# KiCad board left.kicad_pcb (continued)
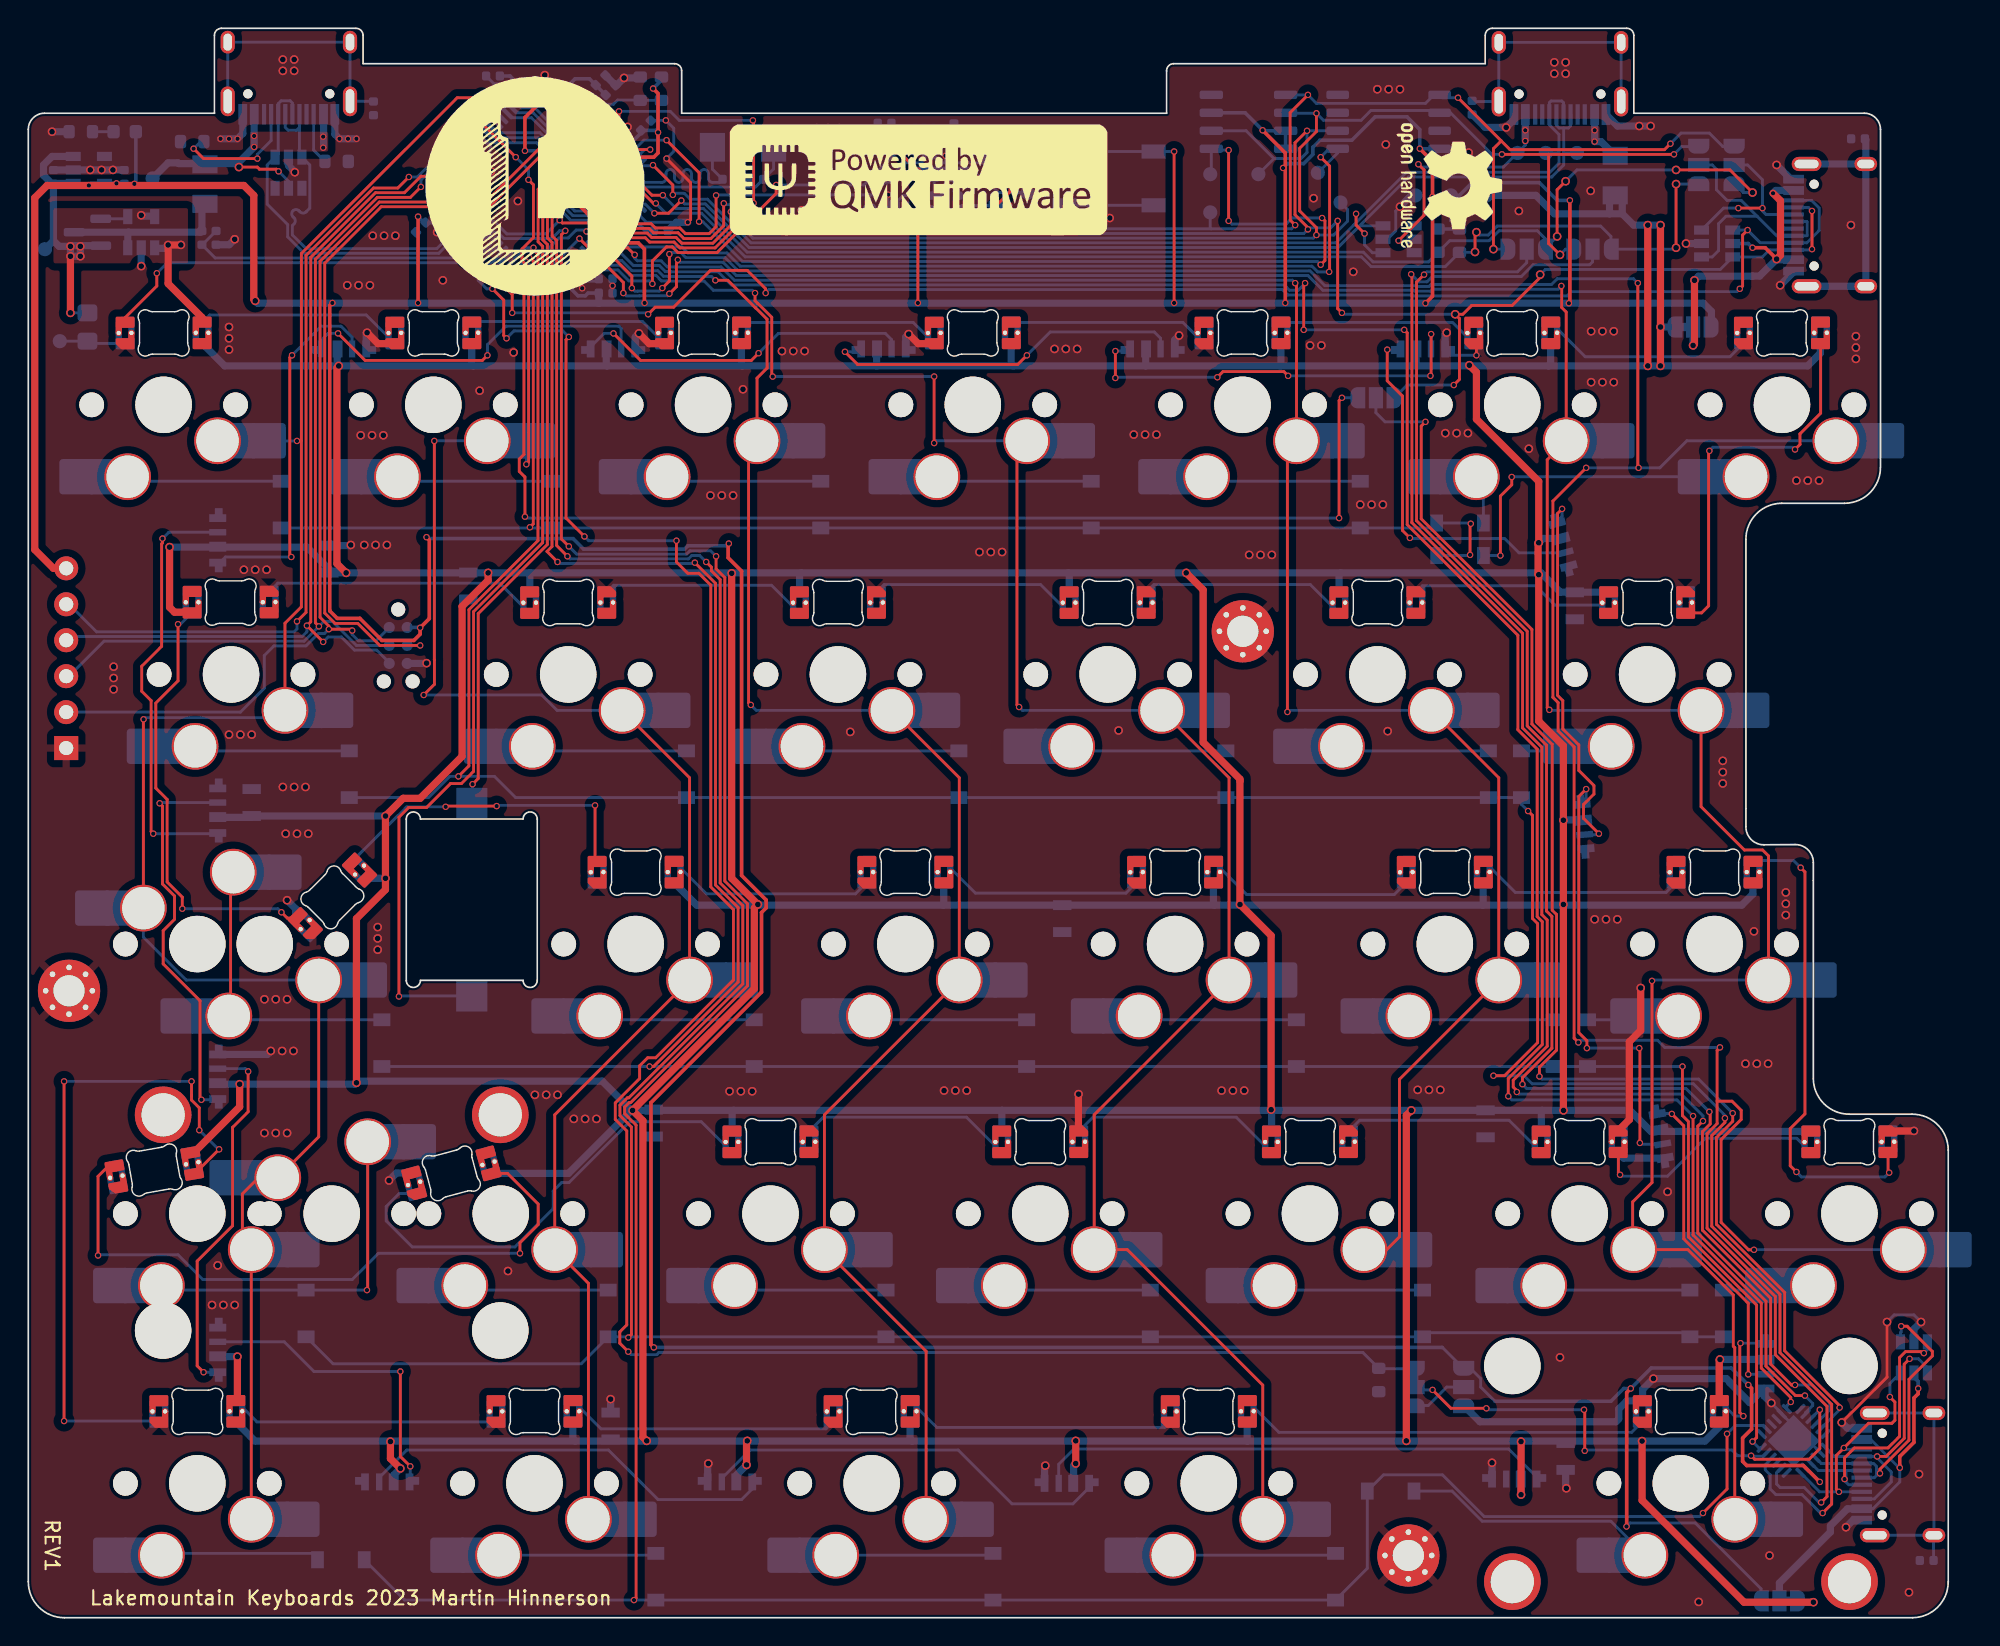
[diagram p0: board, top side]
## Footprints (pads in the part's own frame, mm; a bottom-side part is the same pattern mirrored in y, then rotated)
Buzzer_Mallory_AST1109MLTRQ
  rect 2.2x2.2 smd: 1(-6.8,0) 2(6.8,0)
C_0402_1005Metric
  rrect 0.59x0.64 smd: 1(-0.485,0) 2(0.485,0)
C_0805
  rect 0.7x1.3 smd: 1(-0.95,0) 2(0.95,0)
CON_TC2030_outlined
  round 0.991 hole 0.991 unplated: (-2.54,0) (2.54,-1.016) (2.54,1.016)
  round 0.787 smd: 1(-1.27,-0.635) 2(-1.27,0.635) 3(0,-0.635) 4(0,0.635) 5(1.27,-0.635) 6(1.27,0.635)
D_SOD-123
  rect 0.9x1.2 smd: 1(-1.65,0) 2(1.65,0)
D_SOD-523
  rect 0.6x0.7 smd: 1(-0.7,0) 2(0.7,0)
F1206
  rect 1.27x1.778 smd: 1(-1.397,0) 2(1.397,0)
LED_0402
  rrect 0.59x0.64 smd: +(0.485,0) -(-0.485,0)
LED_0603_1608Metric
  rrect 0.875x0.95 smd: 1(-0.787,0) 2(0.787,0)
LED_MX_6028R
  round 0.457 hole 0.305: 1(2.274,-0.01) 2(3.168,-0.01) 3(-3.168,0) 4(-2.274,0)
  custom 1.342x1.17 smd far side: 1(2.71,-0.74) 2(2.73,0.73) 3(-2.732,-0.73)
  custom 1.342x1.17 smd: 1(2.71,0.73) 2(2.73,-0.74) 3(-2.732,0.74)
  custom 1.338x1.25 smd: 4(-2.7,-0.75)
  custom 1.338x1.25 smd far side: 4(-2.7,0.76)
LED_MX_6028R_Flipped
  custom 1.342x1.17 smd: 1(-2.71,-0.73) 2(-2.73,0.74) 3(2.732,-0.74)
  custom 1.342x1.17 smd far side: 1(-2.71,0.74) 2(-2.73,-0.73) 3(2.732,0.73)
  round 0.457 hole 0.305: 1(-2.274,0.01) 2(-3.168,0.01) 3(3.168,0) 4(2.274,0)
  custom 1.338x1.25 smd far side: 4(2.7,-0.76)
  custom 1.338x1.25 smd: 4(2.7,0.75)
LED_MX_6028R_SOLO
  round 0.457 hole 0.305: 1(2.274,-0.01) 2(3.168,-0.01) 3(-3.168,0) 4(-2.274,0)
  custom 1.342x1.17 smd far side: 1(2.71,-0.74) 2(2.73,0.73) 3(-2.732,-0.73)
  custom 1.342x1.17 smd: 1(2.71,0.73) 2(2.73,-0.74) 3(-2.732,0.74)
  custom 1.338x1.25 smd: 4(-2.7,-0.75)
  custom 1.338x1.25 smd far side: 4(-2.7,0.76)
LQFP-64_10x10mm_P0.5mm
  rrect 1.55x0.3 smd: 1(-5.675,3.75) 2(-5.675,3.25) 3(-5.675,2.75) 4(-5.675,2.25) 5(-5.675,1.75) 6(-5.675,1.25) 7(-5.675,0.75) 8(-5.675,0.25) 9(-5.675,-0.25) 10(-5.675,-0.75) 11(-5.675,-1.25) 12(-5.675,-1.75) 13(-5.675,-2.25) 14(-5.675,-2.75) 15(-5.675,-3.25) 16(-5.675,-3.75) 33(5.675,-3.75) 34(5.675,-3.25) 35(5.675,-2.75) 36(5.675,-2.25) 37(5.675,-1.75) 38(5.675,-1.25) 39(5.675,-0.75) 40(5.675,-0.25) 41(5.675,0.25) 42(5.675,0.75) 43(5.675,1.25) 44(5.675,1.75) 45(5.675,2.25) 46(5.675,2.75) 47(5.675,3.25) 48(5.675,3.75)
  rrect 0.3x1.55 smd: 17(-3.75,-5.675) 18(-3.25,-5.675) 19(-2.75,-5.675) 20(-2.25,-5.675) 21(-1.75,-5.675) 22(-1.25,-5.675) 23(-0.75,-5.675) 24(-0.25,-5.675) 25(0.25,-5.675) 26(0.75,-5.675) 27(1.25,-5.675) 28(1.75,-5.675) 29(2.25,-5.675) 30(2.75,-5.675) 31(3.25,-5.675) 32(3.75,-5.675) 49(3.75,5.675) 50(3.25,5.675) 51(2.75,5.675) 52(2.25,5.675) 53(1.75,5.675) 54(1.25,5.675) 55(0.75,5.675) 56(0.25,5.675) 57(-0.25,5.675) 58(-0.75,5.675) 59(-1.25,5.675) 60(-1.75,5.675) 61(-2.25,5.675) 62(-2.75,5.675) 63(-3.25,5.675) 64(-3.75,5.675)
MountingHole_2.2mm_M2_Pad_Via
  round 0.7 hole 0.4: 1(-1.65,0) 1(-1.167,-1.167) 1(-1.167,1.167) 1(0,-1.65) 1(0,1.65) 1(1.167,-1.167) 1(1.167,1.167) 1(1.65,0)
  round 4.4 hole 2.2: 1(0,0)
PinHeader_1x06_P2.54mm_Vertical
  rect 1.7x1.7 hole 1: 1(0,0)
  oval 1.7x1.7 hole 1: 2(0,-2.54) 3(0,-5.08) 4(0,-7.62) 5(0,-10.16) 6(0,-12.7)
R_0402_1005Metric
  rrect 0.59x0.64 smd: 1(-0.485,0) 2(0.485,0)
R_0603_1608Metric
  rrect 0.8x0.95 smd: 1(-0.825,0) 2(0.825,0)
R_0805_2012Metric_Pad1.20x1.40mm_HandSolder
  rrect 1.2x1.4 smd: 1(-1,0) 2(1,0)
sk6812side
  custom 0.7x1.2 smd: 1(-0.45,0.3)
  custom 0.45x1.2 smd: 2(0.6,0.3)
  custom 0.95x1.2 smd: 3(-1.6,0.3)
  custom 0.975x1.2 smd: 4(1.6,0.3)
SOIC-8_5.23x5.23mm_P1.27mm
  rrect 1.6x0.6 smd: 1(-3.6,1.905) 2(-3.6,0.635) 3(-3.6,-0.635) 4(-3.6,-1.905) 5(3.6,-1.905) 6(3.6,-0.635) 7(3.6,0.635) 8(3.6,1.905)
SolderJumper-3_P1.3mm_Bridged12_RoundedPad1.0x1.5mm
  custom 1.05x1.5 smd: 1(-1.3,0) 3(1.3,0)
  rect 1x1.5 smd: 2(0,0)
SolderJumper-3_P1.3mm_Open_RoundedPad1.0x1.5mm_NumberLabels
  custom 1.05x1.5 smd: 1(-1.3,0) 3(1.3,0)
  rect 1x1.5 smd: 2(0,0)
SOP-8_3.9x4.9mm_P1.27mm
  rrect 1.65x0.6 smd: 1(-2.625,1.905) 2(-2.625,0.635) 3(-2.625,-0.635) 4(-2.625,-1.905) 5(2.625,-1.905) 6(2.625,-0.635) 7(2.625,0.635) 8(2.625,1.905)
SOT-23
  rrect 1.475x0.6 smd: 1(-0.938,0.95) 2(-0.938,-0.95) 3(0.938,0)
SOT-23-5
  rect 1.06x0.65 smd: 1(1.1,-0.95) 2(1.1,0) 3(1.1,0.95) 4(-1.1,0.95) 5(-1.1,-0.95)
SOT-23-6
  rect 1.06x0.65 smd: 1(-1.1,0.95) 2(-1.1,0) 3(-1.1,-0.95) 4(1.1,-0.95) 5(1.1,0) 6(1.1,0.95)
SOT-353_SC-70-5
  rect 0.65x0.4 smd: 1(0.95,-0.65) 2(0.95,0) 3(0.95,0.65) 4(-0.95,0.65) 5(-0.95,-0.65)
SOT-363_SC-70-6_SC-88
  rect 0.66x0.3 smd: 1(0.92,-0.65) 2(0.92,0) 3(0.92,0.65) 4(-0.92,0.65) 5(-0.92,0) 6(-0.92,-0.65)
STAB_MX_P_2.25u
  round 4 hole 3.048: (-11.906,6.985) (11.906,6.985)
  round 3.988 hole 3.988 unplated: (-11.906,-8.255) (11.906,-8.255)
SW_MX_HS_1.5u
  round 1.75 hole 1.75 unplated: (-5.08,0) (5.08,0)
  round 3.988 hole 3.988 unplated: (0,0)
  round 3.3 hole 3: 1(3.81,2.54) 2(-2.54,5.08)
  rect 1.65x2.5 smd: 1(5.635,2.54) 2(-4.34,5.08)
  rrect 2.55x2.5 smd: 1(7.36,2.54) 2(-6.09,5.08)
SW_MX_HS_1.25u
  round 1.75 hole 1.75 unplated: (-5.08,0) (5.08,0)
  round 3.988 hole 3.988 unplated: (0,0)
  round 3.3 hole 3: 1(3.81,2.54) 2(-2.54,5.08)
  rect 1.65x2.5 smd: 1(5.635,2.54) 2(-4.34,5.08)
  rrect 2.55x2.5 smd: 1(7.36,2.54) 2(-6.09,5.08)
SW_MX_HS_1.75u
  round 1.75 hole 1.75 unplated: (-5.08,0) (5.08,0)
  round 3.988 hole 3.988 unplated: (0,0)
  round 3.3 hole 3: 1(3.81,2.54) 2(-2.54,5.08)
  rect 1.65x2.5 smd: 1(5.635,2.54) 2(-4.34,5.08)
  rrect 2.55x2.5 smd: 1(7.36,2.54) 2(-6.09,5.08)
SW_MX_HS_1.75u_stp
  round 1.75 hole 1.75 unplated: (-5.08,0) (5.08,0)
  round 3.988 hole 3.988 unplated: (0,0)
  round 3.3 hole 3: 1(3.81,2.54) 2(-2.54,5.08)
  rect 1.65x2.5 smd: 1(5.635,2.54) 2(-4.34,5.08)
  rrect 2.55x2.5 smd: 1(7.36,2.54) 2(-6.09,5.08)
SW_MX_HS_1u
  round 1.75 hole 1.75 unplated: (-5.08,0) (5.08,0)
  round 3.988 hole 3.988 unplated: (0,0)
  round 3.3 hole 3: 1(3.81,2.54) 2(-2.54,5.08)
  rect 1.65x2.5 smd: 1(5.635,2.54) 2(-4.34,5.08)
  rrect 2.55x2.5 smd: 1(7.36,2.54) 2(-6.09,5.08)
SW_MX_HS_2.25u
  round 1.75 hole 1.75 unplated: (-5.08,0) (5.08,0)
  round 3.988 hole 3.988 unplated: (0,0)
  round 3.3 hole 3: 1(3.81,2.54) 2(-2.54,5.08)
  rect 1.65x2.5 smd: 1(5.635,2.54) 2(-4.34,5.08)
  rrect 2.55x2.5 smd: 1(7.36,2.54) 2(-6.09,5.08)
SW_SPST_TL3342
  rect 1.7x1 smd: 1(-3.15,1.9) 1(3.15,1.9) 2(-3.15,-1.9) 2(3.15,-1.9)
TestPoint_Pad_D1.0mm
  round 1 smd: 1(0,0)
USB_C_Receptacle_HRO_TYPE-C-31-M-12
  round 0.65 hole 0.65 unplated: (-2.89,2.6) (2.89,2.6)
  rect 0.6x1.45 smd: A1(-3.25,4.045) A4(-2.45,4.045) A9(2.45,4.045) A12(3.25,4.045) B1(3.25,4.045) B4(2.45,4.045) B9(-2.45,4.045) B12(-3.25,4.045)
  rect 0.3x1.45 smd: A5(-1.25,4.045) A6(-0.25,4.045) A7(0.25,4.045) A8(1.25,4.045) B5(1.75,4.045) B6(0.75,4.045) B7(-0.75,4.045) B8(-1.75,4.045)
  oval 1x1.6 hole 0.6x1.2: S1(-4.32,-1.05) S1(4.32,-1.05)
  oval 1x2.1 hole 0.6x1.7: S1(-4.32,3.13) S1(4.32,3.13)
WQFN-24-1EP_4x4mm_P0.5mm_EP2.6x2.6mm
  rrect 1.05x1.05 smd: (-0.65,-0.65) (-0.65,0.65) (0.65,-0.65) (0.65,0.65)
  rrect 0.875x0.25 smd: 1(-1.938,1.25) 2(-1.937,0.75) 3(-1.938,0.25) 4(-1.938,-0.25) 5(-1.937,-0.75) 6(-1.938,-1.25) 13(1.938,-1.25) 14(1.937,-0.75) 15(1.938,-0.25) 16(1.938,0.25) 17(1.937,0.75) 18(1.938,1.25)
  rrect 0.25x0.875 smd: 7(-1.25,-1.938) 8(-0.75,-1.937) 9(-0.25,-1.938) 10(0.25,-1.938) 11(0.75,-1.937) 12(1.25,-1.938) 19(1.25,1.938) 20(0.75,1.937) 21(0.25,1.938) 22(-0.25,1.938) 23(-0.75,1.937) 24(-1.25,1.938)
  rect 2.6x2.6 smd: 25(0,0)
X2-SMD-5.0X3.2X1.3MM
  rect 1.778x2.032 smd: 1(-2.159,0) 2(2.159,0)

## Nets
+3.3V: C3.1 C10.1 C11.1 C13.1 C14.1 C15.1 C16.1 C17.1 D3.1 J4.6 J5.1 JP5.3 JP6.3 JP9.3 Q1.4 R3.1 R5.1 R13.1 R14.1 SW1.2 T24.1 U1.5 U3.1 U3.13 U3.19 U3.32 U3.48 U3.64 U4.3 U4.7 U4.8 U5.5 U7.8 U8.5
+5V: C1.1 C6.1 C7.1 C12.1 C18.1 C19.1 C20.2 C21.1 C22.2 C23.1 F2.2 JP5.1 JP9.1 LEDa1.1 LEDa2.1 LEDa3.1 LEDa4.1 LEDa5.1 LEDa6.1 LEDa7.1 LEDb1.1 LEDb2.1 LEDb3.1 LEDb4.1 LEDb5.1 LEDb6.1 LEDc1.1 LEDc2.1 LEDc3.1 LEDc4.1 LEDc5.1 LEDc6.1 LEDd1.1 LEDd2.1 LEDd3.1 LEDd4.1 LEDd5.1 LEDd6.1 LEDd7.1 LEDe1.1 LEDe2.1 LEDe3.1 LEDe4.1 LEDe5.1 LEDs1.1 LEDs2.1 LEDs3.1 LEDs4.1 LEDs5.1 LEDs6.1 LEDs7.1 LEDs8.1 LEDs9.1 LEDs10.1 LEDs11.1 LEDs12.1 LEDs13.1 LEDs14.1 LEDs15.1 LEDs16.1 LEDs17.1 Q2.2 R12.2 T21.1 T25.1 U5.1 U5.3 U6.1 U6.5
/VBUS_DETECT: R7.2 R8.1 U3.42
GND: C1.2 C2.2 C3.2 C4.2 C5.2 C6.2 C7.2 C8.2 C9.2 C10.2 C11.2 C12.2 C13.2 C14.2 C15.2 C16.2 C17.2 C18.2 C19.2 C20.1 C21.2 C22.1 C23.2 FB1.2 FB2.2 FB3.2 FB4.2 H1.1 H2.1 H3.1 J1.A1 J1.A12 J1.B1 J1.B12 J2.A1 J2.A12 J2.B1 J2.B12 J3.A1 J3.A12 J3.B1 J3.B12 J4.1 J5.5 J6.A1 J6.A12 J6.B1 J6.B12 JP6.1 LEDa1.4 LEDa2.4 LEDa3.4 LEDa4.4 LEDa5.4 LEDa6.4 LEDa7.4 LEDb1.4 LEDb2.4 LEDb3.4 LEDb4.4 LEDb5.4 LEDb6.4 LEDc1.4 LEDc2.4 LEDc3.4 LEDc4.4 LEDc5.4 LEDc6.4 LEDd1.4 LEDd2.4 LEDd3.4 LEDd4.4 LEDd5.4 LEDd6.4 LEDd7.4 LEDe1.4 LEDe2.4 LEDe3.4 LEDe4.4 LEDe5.4 LEDs1.4 LEDs2.4 LEDs3.4 LEDs4.4 LEDs5.4 LEDs6.4 LEDs7.4 LEDs8.4 LEDs9.4 LEDs10.4 LEDs11.4 LEDs12.4 LEDs13.4 LEDs14.4 LEDs15.4 LEDs16.4 LEDs17.4 Q1.1 Q3.1 Q3.3 R1.1 R2.1 R4.2 R8.2 R9.2 R11.2 R15.2 T26.1 U1.2 U1.17 U1.25 U2.2 U3.12 U3.18 U3.31 U3.47 U3.63 U4.4 U5.2 U6.2 U7.4 U8.3 U9.2 U10.2 U11.2
/audio1: LS1.2 U3.20
/audio2: LS1.1 U3.21
/BOOT0: Q3.2 T19.1 U3.60 U8.4
/BOOT1: Q3.5 R10.2 U3.28
/col0: SWa1.1 SWb1.1 SWc1.1 SWcx1.1 SWd1.1 SWdx1.1 SWe1.1 U3.59
/col1: SWa2.1 SWb2.1 SWc2.1 SWd2.1 SWe2.1 U3.58
/col2: SWa3.1 SWb3.1 SWc3.1 SWd3.1 SWe3.1 U3.26
/col3: SWa4.1 SWb4.1 SWc4.1 SWd4.1 SWe4.1 U3.27
/col4: SWa5.1 SWb5.1 SWc5.1 SWd5.1 U3.43
/col5: SWa6.1 SWb6.1 SWc6.1 SWd6.1 SWe6.1 U3.33
/col6: SWa7.1 SWd7.1 U1.8 U3.34
/CONN2_CS: J6.A8 J6.B8 U3.37 U11.4
/CONN_CS: U1.18 U3.25
/CONN_SEL: JP1.1 R15.1 U3.39
/DFU: Q1.5 T27.1
/EEPROM_CS: T1.1 U3.14 U4.1
/F0: C8.1 U3.5 Y1.1
/F1: C9.1 U3.6 Y1.2
/FLASH_CS: T2.1 U3.24 U7.1
/I2C1_SCL: JP4.3 JP8.3 R5.2 U3.61
/I2C1_SDA: JP3.3 JP7.3 R13.2 U3.62
/JOY_X: JP2.3 U3.38
/NRST: C2.1 J5.3 Q1.6 T20.1 U3.7
/RGB_DATA: LEDa1.3 R12.1 T8.1 U3.15
/row0: Da1.1 Da2.1 Da3.1 Da4.1 Da5.1 Da6.1 Da7.1 U3.35
/row1: Db1.1 Db2.1 Db3.1 Db4.1 Db5.1 Db6.1 U1.10 U3.36
/row2: Dc1.1 Dc2.1 Dc3.1 Dc4.1 Dc5.1 Dc6.1 U1.12 U3.22
/row3: Dd1.1 Dd2.1 Dd3.1 Dd4.1 Dd5.1 Dd6.1 Dd7.1 U3.23
/row4: De1.1 De2.1 De3.1 De4.1 De6.1 U1.14 U3.41
/SPI_MISO: J6.A5 J6.B5 JP2.1 T14.1 U3.56 U4.2 U7.2 U11.6
/SPI_MOSI: JP3.1 JP7.1 T13.1 U3.57 U4.5 U7.5
/SPLIT_HAND_PIN: R3.2 R4.1 U3.4
/USART2_RX: J2.A6 J2.B6 T4.1 U3.17 U9.3
/USART2_TX: J2.A7 J2.B7 T3.1 U3.16 U9.1
/USB_D+: J1.A6 J1.B6 U2.3 U3.45
/USB_D-: J1.A7 J1.B7 U2.1 U3.44
/USB_VBUS: F1.2 J1.A4 J1.A9 J1.B4 J1.B9 T22.1 U2.5
/USB_VBUS_FUSED: F1.1 Q2.3 R7.1 U6.3
/USB_VBUS_IN_LINK: F2.1 J2.A4 J2.A9 J2.B4 J2.B9 T23.1 U9.5
/VCAP_1: C5.1 U3.30
/x1: JP2.2 U1.23
/x2: JP7.2 U1.22
/x3: JP8.2 U1.20
/z1: J3.A5 J3.B5 U1.1 U10.4
/z2: J3.A7 J3.B7 U1.3 U10.1
/z3: J3.A6 J3.B6 U1.4 U10.3
/z4: J3.A8 J3.B8 U1.6 U10.6
JTCK: J4.3 J5.4 U3.49
JTDI: J4.5 U3.50
JTDO: J4.4 J5.6 JP4.1 JP8.1 T15.1 U3.55 U4.6 U7.6
JTMS: J4.2 J5.2 U3.46
Net-(D3-K): D3.2 R11.1
Net-(D4-Pad+): D4.+ R14.2
Net-(D4-Pad-): D4.- Q3.4
Net-(Da1-A): Da1.2 SWa1.2
Net-(Da2-A): Da2.2 SWa2.2
Net-(Da3-A): Da3.2 SWa3.2
Net-(Da4-A): Da4.2 SWa4.2
Net-(Da5-A): Da5.2 SWa5.2
Net-(Da6-A): Da6.2 SWa6.2
Net-(Da7-A): Da7.2 SWa7.2
Net-(Db1-A): Db1.2 SWb1.2
Net-(Db2-A): Db2.2 SWb2.2
Net-(Db3-A): Db3.2 SWb3.2
Net-(Db4-A): Db4.2 SWb4.2
Net-(Db5-A): Db5.2 SWb5.2
Net-(Db6-A): Db6.2 SWb6.2
Net-(Dc1-A): Dc1.2 SWc1.2 SWcx1.2
Net-(Dc2-A): Dc2.2 SWc2.2
Net-(Dc3-A): Dc3.2 SWc3.2
Net-(Dc4-A): Dc4.2 SWc4.2
Net-(Dc5-A): Dc5.2 SWc5.2
Net-(Dc6-A): Dc6.2 SWc6.2
Net-(Dd1-A): Dd1.2 SWd1.2 SWdx1.2
Net-(Dd2-A): Dd2.2 SWd2.2
Net-(Dd3-A): Dd3.2 SWd3.2
Net-(Dd4-A): Dd4.2 SWd4.2
Net-(Dd5-A): Dd5.2 SWd5.2
Net-(Dd6-A): Dd6.2 SWd6.2
Net-(Dd7-A): Dd7.2 SWd7.2
Net-(De1-A): De1.2 SWe1.2
Net-(De2-A): De2.2 SWe2.2
Net-(De3-A): De3.2 SWe3.2
Net-(De4-A): De4.2 SWe4.2
Net-(De5-A): De5.2 R6.2
Net-(De5-K): C4.1 De5.1 R9.1 U8.2
Net-(De6-A): De6.2 SWe6.2
Net-(J1-CC1): J1.A5 R1.2
Net-(J1-CC2): J1.B5 R2.2
Net-(J1-SHIELD): FB1.1 J1.S1
Net-(J2-SHIELD): FB2.1 J2.S1
Net-(J3-SHIELD): FB3.1 J3.S1
Net-(J6-SHIELD): FB4.1 J6.S1
Net-(JP1-B): JP1.3 JP6.2
Net-(JP1-C): JP1.2 U1.11 U1.21
Net-(JP3-C): J6.A7 J6.B7 JP3.2 U11.3
Net-(JP4-C): J6.A6 J6.B6 JP4.2 U11.1
Net-(JP5-C): J3.A4 J3.A9 J3.B4 J3.B9 JP5.2 U10.5
Net-(JP9-C): J6.A4 J6.A9 J6.B4 J6.B9 JP9.2 U11.5
Net-(LEDa1-DOUT): LEDa1.2 LEDa2.3
Net-(LEDa2-DOUT): LEDa2.2 LEDa3.3
Net-(LEDa3-DOUT): LEDa3.2 LEDa4.3
Net-(LEDa4-DOUT): LEDa4.2 LEDa5.3
Net-(LEDa5-DOUT): LEDa5.2 LEDa6.3
Net-(LEDa6-DOUT): LEDa6.2 LEDa7.3
Net-(LEDa7-DOUT): LEDa7.2 LEDb6.3
Net-(LEDb1-DIN): LEDb1.3 LEDb2.2
Net-(LEDb1-DOUT): LEDb1.2 LEDc1.3
Net-(LEDb2-DIN): LEDb2.3 LEDb3.2
Net-(LEDb3-DIN): LEDb3.3 LEDb4.2
Net-(LEDb4-DIN): LEDb4.3 LEDb5.2
Net-(LEDb5-DIN): LEDb5.3 LEDb6.2
Net-(LEDc1-DOUT): LEDc1.2 LEDc2.3
Net-(LEDc2-DOUT): LEDc2.2 LEDc3.3
Net-(LEDc3-DOUT): LEDc3.2 LEDc4.3
Net-(LEDc4-DOUT): LEDc4.2 LEDc5.3
Net-(LEDc5-DOUT): LEDc5.2 LEDc6.3
Net-(LEDc6-DOUT): LEDc6.2 LEDd7.3
Net-(LEDd1-DIN): LEDd1.3 LEDd2.2
Net-(LEDd1-DOUT): LEDd1.2 LEDe1.3
Net-(LEDd2-DIN): LEDd2.3 LEDd3.2
Net-(LEDd3-DIN): LEDd3.3 LEDd4.2
Net-(LEDd4-DIN): LEDd4.3 LEDd5.2
Net-(LEDd5-DIN): LEDd5.3 LEDd6.2
Net-(LEDd6-DIN): LEDd6.3 LEDd7.2
Net-(LEDe1-DOUT): LEDe1.2 LEDe2.3
Net-(LEDe2-DOUT): LEDe2.2 LEDe3.3
Net-(LEDe3-DOUT): LEDe3.2 LEDe4.3
Net-(LEDe4-DOUT): LEDe4.2 LEDe5.3
Net-(LEDe5-DOUT): LEDe5.2 LEDs1.3
Net-(LEDs1-DOUT): LEDs1.2 LEDs2.3
Net-(LEDs2-DOUT): LEDs2.2 LEDs3.3
Net-(LEDs3-DOUT): LEDs3.2 LEDs4.3
Net-(LEDs4-DOUT): LEDs4.2 LEDs5.3
Net-(LEDs5-DOUT): LEDs5.2 LEDs6.3
Net-(LEDs6-DOUT): LEDs6.2 LEDs7.3
Net-(LEDs7-DOUT): LEDs7.2 LEDs8.3
Net-(LEDs8-DOUT): LEDs8.2 LEDs9.3
Net-(LEDs10-DIN): LEDs9.2 LEDs10.3
Net-(LEDs10-DOUT): LEDs10.2 LEDs11.3
Net-(LEDs11-DOUT): LEDs11.2 LEDs12.3
Net-(LEDs12-DOUT): LEDs12.2 LEDs13.3
Net-(LEDs13-DOUT): LEDs13.2 LEDs14.3
Net-(LEDs14-DOUT): LEDs14.2 LEDs15.3
Net-(LEDs15-DOUT): LEDs15.2 LEDs16.3
Net-(LEDs16-DOUT): LEDs16.2 LEDs17.3
Net-(Q1-B): Q1.2 Q1.3 R6.1 SW1.1
Net-(Q2-G): Q2.1 U6.4
Net-(Q3-C-Pad6): Q3.6 R10.1

Pads without a net: J1 A8 B8; J2 A5 A8 B5 B8; LEDs17 2; U1 7 9 13 15 16 19 24; U2 4 6; U3 2 3 8 9 10 11 29 40 51 52 53 54; U5 4; U7 3 7; U8 1; U9 4 6

## Via types
v1: diameter 0.61, hole 0.406, Top to Bottom, 265 vias
v2: diameter 0.457, hole 0.305, Top to Bottom, 303 vias

## Routing (per net, layer and track width the routed paths; a pad name or vN(x,y) marks a point on that pad's centre or on a via; arc(x,y) is an arc through that point)
+3.3V: length 569.6
  Top w0.203: v2(62.82,92.89) v2(62.82,102.24) 61.63,103.44 v2(61.63,104.64) ; v2(41.93,100.64) 41.67,100.9 38.68,100.9 v2(38.48,100.69) ; v2(80.92,103.59) v2(80.92,92.89)
  Top w0.254: v2(113.17,16.19) 112.89,15.91 112.89,6.46 ; v2(43.52,92.89) 43.51,92.91 43.51,96.71 43.07,97.15 41.55,97.15 38.48,100.22 v2(38.48,100.69) 38.48,100.99 40.68,103.19 44.18,103.19 44.48,103.49 v2(44.48,104.94) 44.48,107.69 v2(44.13,108.04) ; v2(87.17,105.09) 88.78,103.49 v2(88.78,92.89) ; v2(28.13,76.34) 28.32,76.15 28.32,70.59 v2(27.68,69.94) 27.68,69.49 27.23,69.05 24.97,69.05 23.41,70.61 21.81,70.61 21.29,71.13 21.29,92.71 v2(21.48,92.89) ; v2(98.28,103.79) 99.17,102.89 v2(99.17,100.39) 99.17,93.37 v2(98.67,92.87) ; v2(36.23,107.14) 35.07,105.99 v2(35.07,103.64) ; v2(121.47,16.44) 121.71,16.21 121.71,13.33 121.07,12.69 121.07,11.04 121.37,10.75 125.37,10.75 v2(126.53,9.59) ; v2(49.48,75.89) 49.43,75.84 49.43,74.89 50.38,73.94 50.38,52.44 52.11,50.71 52.11,50.15 51.78,49.83 51.78,44.2 43.98,36.39 43.98,19.29 v2(44.18,19.09) ; v2(108.8,92.87) 108.88,92.94 v2(108.88,100.14) ; v2(27.52,98.99) v2(27.52,92.89)
  Top w0.508: v1(16.02,93.04) 15.93,93.14 15.93,100.49 15.23,101.19 v2(4.27,101.19) 1.32,101.19 0.45,100.32 0.45,75.46 1.77,74.14 2.88,74.14
  Bottom w0.203: v2(62.82,102.24) 62.78,102.29 62.78,102.4 ; 99.88,19.09 JP6.3 ; v2(61.63,104.64) 61.01,104.64 ; 103.57,15.29 102.57,16.29 102.57,16.89 101.88,17.59 ; U3.19 41.73,99.81 41.73,100.44 v2(41.93,100.64) ; v2(80.92,103.59) SW1.2 SW1.2 ; U3.1 37.03,107.14 v2(36.23,107.14) 35.81,107.14 U3.64 ; JP5.3 122.38,2.04 117.72,6.69 113.12,6.69 v2(112.88,6.44)
  Bottom w0.254: C16.1 44.33,105.09 v2(44.48,104.94) ; v2(126.53,9.59) 125.53,10.59 U1.5 ; D3.1 7.59,101.41 v2(7.49,101.31) C3.1 ; v2(38.48,100.69) 38.48,101.14 35.97,103.64 v2(35.07,103.64) ; C13.1 34.02,108.93 U3.64 ; v2(4.27,101.19) 4.43,101.34 U5.5 6.74,101.34 ; 27.95,98.57 v2(27.52,98.99) ; 42.41,99.16 43.57,97.99 C14.1 ; 99.88,19.09 v2(44.18,19.09) ; 103.57,15.29 111.78,15.29 112.67,16.19 v2(113.17,16.19) 114.62,17.64 120.27,17.64 121.47,16.44 v2(121.47,16.44) ; 43.28,104.91 U3.13 ; 99.67,103.79 98.28,103.79 v2(98.28,103.79) 98.28,105.14 97.38,106.04 95.12,106.04 93.47,104.39 91.22,104.39 90.72,103.89 90.72,103.39 90.07,102.74 88.93,102.74 v2(88.62,102.43) ; v2(27.68,69.94) 27.66,69.96 26.76,69.96 ; v2(108.88,100.14) 107.97,100.14 106.72,101.39 101.97,101.39 101.07,100.49 T24.1 100.47,98.72 R5.1 R13.1 ; 83.55,106.33 85.94,106.33 87.21,105.06 U4.7 88.8,103.79 ; U3.48 28.46,98.57 C17.1 ; Q1.4 66.54,102.4 62.78,102.4 U8.5 ; C15.1 39.54,93.59 39.34,93.4 38.82,93.4 37.78,94.44 U3.32 ; C11.1 C10.1 39.63,108.73 38.61,108.73 U3.1 ; v2(99.17,100.39) 100.28,100.39 ; v2(44.13,108.04) 44.72,108.64 ; v2(49.48,75.89) 49.32,75.74 46.58,75.74 46.34,75.5 39.22,75.5 38.48,76.24 28.23,76.24 v2(28.13,76.34)
  Bottom w0.508: v1(16.02,93.04) 16.2,92.87 40.3,92.87 ; 40.3,92.87 40.29,92.89 C15.1 ; 40.3,92.87 v2(108.8,92.87) 118.3,92.87 118.88,92.29 JP9.3
  vias: v2(6.23,101.34)
+5V: length 945.4
  Top w0.508: v1(50.73,10.79) 50.73,12.44 v1(50.77,12.49) ; v1(108.42,35.84) 108.42,35.85 v1(108.42,50.4) v1(108.42,56.35) 108.42,61.6 106.67,63.34 v1(106.67,73.69) 106.62,73.74 106.62,75.9 v1(106.67,75.95) 106.67,75.95 106.67,80.29 102.28,84.69 102.28,87.99 v1(101.78,88.49) ; v1(114.38,88.45) 114.38,88.45 v1(114.38,98.39) ; v1(49.68,73.79) 49.68,52.24 v1(51.52,50.39) 51.27,50.14 51.27,44.44 v1(42.68,35.84) 43.41,35.11 43.41,12.76 v1(43.68,12.49) ; v1(87.78,35.89) 87.78,48.19 v1(85.57,50.39) 85.57,59.25 82.97,61.85 82.97,72.62 v1(81.78,73.82) ; v1(32.48,73.82) 32.48,73.29 30.63,71.45 30.63,60.85 27.68,57.89 26.48,57.89 v1(25.23,56.64) 25.23,51.44 23.18,49.39 v1(23.18,37.79) ; v1(119.47,18.24) 119.42,18.19 LEDe5.1 ; v1(22.45,73.82) 21.8,74.47 21.8,88.32 v1(21.93,88.44) ; v1(115.27,88.45) 115.27,98.39 v1(115.28,98.39) ; 11.66,32.83 14.93,36.09 v1(14.93,37.69) ; v1(126.07,1.09) 121.17,1.09 113.97,8.29 v1(113.97,12.48) ; v1(9.98,75.64) 9.98,71.39 10.32,71.04 11.55,71.04 ; v1(14.77,18.45) 14.77,15.44 ; v1(97.67,35.84) 97.32,35.49 v1(97.32,12.49) ; v1(2.98,96.19) v1(2.98,92.19) ; v1(10.77,96.99) 10.77,96.99 v1(9.88,96.99) 9.88,94.26 12.27,91.87 LEDa1.1 ; v1(25.57,12.44) 25.57,11.24 v1(26.27,10.54) ; v1(73.97,10.89) v1(73.97,12.49) ; v1(105.42,8.69) v1(105.42,12.44)
  Bottom w0.203: R12.2 v1(2.98,92.19)
  Bottom w0.508: LEDa3.1 50.37,88.5 50.42,88.45 ; U5.1 1.81,101.34 ; 111.67,99.19 111.67,100.1 F2.2 112.57,100 112.57,99.19 ; 111.67,99.19 112.57,99.19 ; 111.67,99.19 107.78,99.19 106.47,100.49 T25.1 ; 87.77,35.85 87.81,35.81 LEDd5.1 ; 87.77,35.85 106.92,35.85 ; 87.77,35.85 68.77,35.85 ; 23.76,52.24 v1(25.22,52.24) ; 83.77,50.35 64.62,50.35 ; 83.77,50.35 83.7,50.41 LEDc4.1 ; 83.77,50.35 102.72,50.35 ; 64.62,50.35 47.2,50.35 LEDc2.1 ; 64.62,50.35 64.65,50.38 LEDc3.1 ; 40.87,88.45 31.42,88.45 ; 40.87,88.45 50.42,88.45 ; 40.87,88.45 40.82,88.5 LEDs8.1 ; 31.42,88.45 31.32,88.55 LEDa2.1 ; 31.42,88.45 21.87,88.45 ; v1(9.88,96.99) 9.64,96.75 8.93,96.75 ; 38.64,12.48 16.01,12.48 LEDe1.1 ; 38.64,12.48 38.46,12.65 LEDe2.1 ; 38.64,12.48 62.44,12.48 ; v1(3.68,96.89) v1(3.68,96.19) v1(2.98,96.19) v1(2.98,96.89) ; v1(106.67,75.95) 106.97,76.25 LEDs4.1 ; LEDd2.1 38.15,31.39 42.6,35.85 ; 88.42,88.45 78.92,88.45 ; 88.42,88.45 88.47,88.49 LEDa5.1 ; 88.42,88.45 98.07,88.45 ; 78.92,88.45 LEDs6.1 ; 78.92,88.45 69.57,88.45 ; LEDb3.1 54.47,73.7 54.6,73.82 ; 73.45,73.82 54.6,73.82 ; 73.45,73.82 73.52,73.75 LEDb4.1 ; 73.45,73.82 92.7,73.82 ; 54.6,73.82 35.44,73.82 ; v1(2.98,96.89) 3.02,96.94 Q2.2 ; v1(2.98,96.89) 2.18,96.89 1.77,97.29 ; 86.1,12.48 118.41,12.48 119.42,13.49 LEDe5.1 ; 86.1,12.48 62.44,12.48 ; 86.1,12.48 86.08,12.49 LEDe4.1 ; 35.42,72.46 35.42,73.8 35.44,73.82 ; 106.92,35.85 113.12,35.85 114.61,34.36 LEDd7.1 ; 106.92,35.85 106.86,35.79 LEDd6.1 ; 42.6,35.85 40.54,37.91 23.29,37.91 v1(23.18,37.79) 23.07,37.69 v1(14.93,37.69) 13.52,37.69 ; 42.6,35.85 49.82,35.85 ; LEDs7.1 59.92,88.45 ; 59.92,88.45 69.57,88.45 ; 59.92,88.45 50.42,88.45 ; 1.77,97.29 C1.1 1.68,101.31 1.07,101.91 1.07,102.65 1.67,103.24 U5.3 ; 1.77,97.29 T21.1 ; 62.44,12.48 62.27,12.64 LEDe3.1 ; 112.57,99.19 113.38,98.39 v1(115.28,98.39) ; 92.7,73.82 92.57,73.7 LEDb5.1 ; 92.7,73.82 106.84,73.82 108.21,72.46 LEDb6.1 ; LEDd4.1 68.76,35.84 68.77,35.85 ; LEDs14.1 25.83,10.1 v1(26.27,10.54) ; 102.72,50.35 121.02,50.35 121.8,51.13 LEDc6.1 ; 102.72,50.35 102.75,50.38 LEDc5.1 ; LEDs9.1 21.82,88.5 21.87,88.45 ; 69.57,88.45 69.42,88.6 LEDa4.1 ; v1(7.98,99.09) 8.04,99.03 8.93,99.03 ; v1(9.98,75.64) LEDs10.1 19.68,75.64 21.5,73.82 35.44,73.82 ; v1(73.97,10.89) 73.82,10.74 LEDs16.1 ; LEDs3.1 108.44,56.37 v1(108.42,56.35) ; LEDa6.1 107.52,88.59 107.37,88.45 ; 21.87,88.45 13.87,88.45 LEDa1.1 ; 107.37,88.45 125.67,88.45 126.57,89.34 LEDa7.1 ; 107.37,88.45 98.07,88.45 ; v1(50.73,10.79) 50.03,10.1 LEDs15.1 ; 49.82,35.85 49.71,35.74 LEDd3.1 ; 49.82,35.85 68.77,35.85 ; 98.07,88.45 98.02,88.5 LEDs5.1 ; v1(119.47,18.24) 122.62,18.24 ; LEDs13.1 14.77,18.44 v1(14.77,18.45) ; v1(105.42,8.69) 105.43,8.7 LEDs17.1 ; v1(126.07,1.09) 125.07,1.09 JP5.1 ; LEDs11.1 15.68,56.54 C12.1 v1(25.23,56.64) ; JP9.1 v1(115.28,91.19)
/VBUS_DETECT: length 22.1
  Bottom w0.203: R7.2 13.2,96.07 30.2,96.07 31.87,97.74 ; 12.29,97.01 R8.1
GND: length 169.3
  Top w0.203: v1(128.07,13.79) 131.28,16.99 v1(131.28,20.89) ; v2(46.57,98.59) 46.77,98.79 46.77,101.39 v2(45.07,103.09) ; v2(102.28,89.19) 102.28,89.85 LEDa6.4 102.11,89.86
  Top w0.508: v1(74.17,36.99) 74.17,36.99 LEDd4.4 ; v1(133.17,34.39) 133.17,34.39 LEDd7.4 ; LEDa3.4 43.85,90.02 v1(43.13,90.74) ; v1(62.18,90.69) 62.85,90.02 LEDa4.4 ; v1(113.88,44.49) 113.88,41.49 113.07,40.69 113.07,35.19 LEDd6.4 ; v1(23.93,90.79) 24.7,90.02 LEDa2.4
  Bottom w0.203: v2(69.28,99.79) 69.25,99.77 Q1.1 ; C2.2 67.29,102.79 64.78,102.79 ; C8.2 C9.2 50,102.22 v1(50.27,102.49) ; 64.78,102.79 v2(64.78,103.29) ; 64.78,102.79 64.5,102.79 Q3.1 63.93,103.74 63.68,103.99 62.93,103.99 62.63,103.69 Q3.3 ; v2(45.07,103.09) 45.58,103.6 45.58,105.24 v2(45.02,105.79) 43.98,105.79 ; 38.13,94.92 v2(39.12,93.93) ; U3.63 33.86,108.38 32.88,108.38 C13.2 ; 41.69,104.01 42.32,104.63 v1(42.32,105.33) ; U3.47 28.88,98.28 v1(28.88,97.89) ; 125.74,12.49 U1.2 ; v1(131.28,20.89) 131.78,21.39 133.17,21.39 v1(133.67,20.89) ; v2(46.57,98.59) 43.65,98.59 U3.18 ; C5.2 C15.2 ; v1(96.88,99.69) 96.57,99.39 96.57,97.99 95.97,97.39 ; C4.2 R9.2 62.84,99.51 62.38,99.04 60.9,99.04 60.73,99.22 U8.3 v2(60.73,100.54) ; v2(102.28,89.19) 100.42,89.19 LEDs5.4 ; 124.67,13.55 U1.17 123.84,14.43 v1(123.1,15.17)
  Bottom w0.508: U11.2 v1(117.07,97.09) ; 124.47,101.64 v1(123.47,102.64) ; T26.1 97.67,100.49 v1(96.88,99.69) ; v1(128.38,6.39) 128.88,6.89 J3.A12 ; v1(114.57,105.39) 112.24,105.39 J2.A12 ; v1(103.38,10.94) 103.38,10.94 LEDs17.4 ; 26.76,67.42 28.1,67.42 v1(28.13,67.44) ; v2(46.57,98.59) 45.76,98.59 C14.2 ; v1(23.93,90.79) 23.87,90.74 LEDs9.4 ; v1(17.13,40.04) 16.88,39.79 LEDs12.4 ; v1(14.57,97.39) 14.19,97.01 R8.2 ; v1(128.07,13.79) 128.47,13.39 J3.A1 ; v1(18.27,50.69) 18.89,50.08 18.89,49.47 ; 104.92,105.84 v1(104.38,105.29) 102.89,105.29 FB2.2 ; J1.A1 15.15,104.87 v2(14.77,104.49) v2(13.57,104.49) ; v1(71.82,10.74) 71.77,10.69 LEDs16.4 ; LEDd2.4 26,31.42 v1(25.48,30.89) ; LEDs6.4 80.97,90.29 v1(81.28,90.59) ; R11.2 v1(1.68,104.99) ; v1(133.67,20.89) 133.17,20.39 U10.2 ; LEDs1.4 122.62,15.65 v1(123.1,15.17) ; v1(62.18,90.69) 61.97,90.49 LEDs7.4 ; U6.2 v1(7.98,95.49) ; 1.79,102.29 U5.2 6.76,102.29 ; v1(108.62,9.14) 108.57,9.19 C23.2 ; C10.2 C11.2 41.55,108.27 v1(42.07,108.79) 43.16,108.79 ; C7.2 v1(41.13,15.44) ; v1(22.77,75.79) 22.73,75.75 C18.2 ; v2(23.18,104.49) v2(22.57,104.49) v2(21.98,104.49) 21.65,104.82 J1.A12 ; v1(100.17,90.79) 100.07,90.69 LEDs5.4 ; JP6.1 102.53,13.84 112.12,13.84 112.32,14.04 112.32,14.74 112.91,15.33 LEDe5.4 114.01,16.13 v1(114.78,16.89) 119.92,16.89 120.17,16.64 120.17,16.59 121.57,15.19 122.58,16.2 ; U2.2 18.38,102.59 18.77,102.19 18.77,102.17 v1(18.82,102.13) ; LEDs2.4 112.68,32.47 LEDd6.4 ; 124.68,95.1 v1(123.72,94.14) ; LEDs15.4 47.98,10.85 v1(48.02,10.89) ; v1(43.13,90.74) 42.87,90.49 LEDs8.4
  vias: v1(4.38,102.29) v1(5.18,102.29) v1(5.98,102.29) v1(6.02,67.19) v1(6.02,66.39) v1(6.02,65.59) v1(12.98,22.09) v1(13.38,24.89) v1(13.77,22.09) v1(14.18,91.19) v1(14.18,90.39) v1(14.18,89.59) v1(14.18,62.39) v1(14.57,22.09) v1(14.98,62.39) v1(15.23,74.04) v1(15.77,62.39) v1(16.02,74.04) v1(16.68,43.69) v1(16.68,34.24) v1(16.82,74.04) v1(17.48,43.69) v1(17.48,34.24) v1(17.98,110.09) v1(17.98,109.29) v1(17.98,58.69) v1(17.93,40.04) v1(18.18,55.39) v1(18.27,43.69) v1(18.27,34.24) v1(18.77,110.09) v1(18.77,109.29) v1(18.77,58.69) v1(18.73,40.04) v1(18.98,55.39) v1(19.57,58.69) v1(19.77,55.39) v1(22.52,94.14) v1(23.32,94.14) v1(23.48,83.54) v1(23.73,75.79) v1(24.13,94.14) v1(24.32,97.64) v1(24.27,83.54) v1(24.52,75.79) v1(24.68,48.79) v1(24.68,47.99) v1(24.68,47.19) v1(25.07,83.54) v1(25.13,97.64) v1(25.32,75.79) v1(25.93,97.64) v1(29.27,94.49) v1(29.57,105.19) v1(31.88,86.69) v1(32.68,102.19) v1(33.88,24.49) v1(34.27,89.39) v1(34.57,100.09) v1(35.77,36.94) v1(36.48,108.99) v1(36.57,36.94) v1(37.38,36.94) v1(38.52,35.24) v1(39.32,35.24) v1(40.13,35.24) v1(48.18,79.29) v1(48.98,79.29) v1(49.52,37.19) v1(49.77,79.29) v1(50.32,37.19) v1(50.48,86.79) v1(51.13,37.19) v1(53.23,89.49) v1(54.02,89.49) v1(54.63,99.44) v1(54.82,89.49) v1(55.43,99.44) v1(55.68,105.24) v1(56.23,99.44) v1(56.48,105.24) v1(57.27,105.24) v1(58.05,62.59) v1(64.68,37.24) v1(65.47,37.24) v1(66.28,37.24) v1(67.17,75.29) v1(67.97,75.29) v1(68.78,75.29) v1(72.47,89.64) v1(73.28,89.64) v1(74.07,89.64) v1(76.38,98.89) v1(77,62.69) v1(78.07,83.59) v1(78.88,83.59) v1(79.67,83.59) v1(84.28,37.24) v1(85.07,37.24) v1(85.88,37.24) v1(86.22,75.09) v1(87.03,75.09) v1(87.82,75.09) v1(90.53,89.89) v1(90.78,100.29) v1(91.32,89.89) v1(93.57,95.09) v1(94.07,78.65) v1(94.87,78.65) v1(95.28,107.99) v1(95.67,78.65) v1(95.88,104.09) v1(96.01,62.64) v1(96.07,107.99) v1(96.88,107.99) v1(98.12,37.29) v1(98.92,37.29) v1(99.72,37.29) v1(100.07,83.69) v1(100.88,83.69) v1(101.72,103.52) v1(101.67,83.69) v1(105.28,99.39) v1(105.97,82.59) v1(107.78,109.89) v1(107.78,109.09) v1(108.17,18.39) v1(108.57,109.89) v1(108.57,109.09) v1(110.34,100.82) v1(110.38,90.89) v1(110.38,87.29) v1(110.62,49.34) v1(111.17,90.89) v1(111.17,87.29) v1(111.42,49.34) v1(111.97,90.89) v1(111.97,87.29) v1(112.22,49.34) v1(113.78,105.39) v1(115.78,30.09) v1(117.98,1.12) v1(119.67,60.54) v1(119.67,59.74) v1(119.67,58.94) v1(121.28,39.14) v1(121.88,48.49) v1(122.07,39.14) v1(122.88,39.14) v1(122.97,4.39) v1(124.12,51.24) v1(124.12,50.44) v1(124.12,49.64) v1(124.88,80.34) v1(125.67,80.34) v1(126.47,80.34) v1(128.72,98.39) v1(129.07,90.54) v1(129.07,89.74) v1(129.07,88.94) v1(132.82,1.79) v1(133.53,10.14) v2(14.18,104.49) v2(41.26,94.11)
/audio1: length 75
  Top w0.203: v2(36.48,101.39) 36.01,100.92 36.01,97.21 36.32,96.89 36.32,75.96 31.44,71.08 31.44,59.8 30.59,58.94 29.82,58.94 28.12,57.24 26.86,57.24 26.18,56.56 v2(26.18,43.89)
  Bottom w0.203: v2(36.48,101.39) 37.06,101.39 38.73,99.72 41.11,99.72 U3.20 ; v2(26.18,43.89) 26.21,43.93 LS1.2
/audio2: length 51.6
  Top w0.203: v2(31.38,58.89) 31.77,59.29 31.77,70.94 36.66,75.82 36.66,97.03 36.34,97.35 36.34,100.3 v2(36.88,100.84)
  Bottom w0.203: U3.21 40.73,99.39 38.59,99.39 37.48,100.5 37.22,100.5 v2(36.88,100.84) ; v2(31.38,58.89) 31.38,57.59
/BOOT0: length 38.3
  Top w0.203: v2(41.18,100.39) 41.18,100.14 42.82,98.49 43.98,98.49 44.28,98.19 46.01,98.19 46.41,97.79 48.09,97.79 48.57,98.28 v2(48.57,100.49)
  Bottom w0.203: 59.39,100.53 48.61,100.53 v2(48.57,100.49) ; 59.39,100.53 59.43,100.49 T19.1 ; 59.39,100.53 59.61,100.53 U8.4 61.88,102.79 63.07,102.79 63.27,102.99 Q3.2 ; U3.60 34.14,105.98 35.53,105.98 40.59,100.92 40.65,100.92 v2(41.18,100.39)
/BOOT1: length 33.4
  Top w0.203: v2(44.07,94.24) 44.07,95.86 45.06,96.85 45.49,96.85 45.89,96.45 48.64,96.45 52.82,100.63 v2(52.82,101.23)
  Bottom w0.203: v2(44.07,94.24) 43.87,94.45 42.42,94.45 41.64,95.23 39.94,95.23 U3.28 ; Q3.5 63.27,104.64 63.31,104.61 ; v2(52.82,101.23) 59.02,101.23 62.4,104.61 63.31,104.61 ; 63.31,104.61 R10.2
/col0: length 131.9
  Top w0.203: 19.28,83.15 19.28,71.42 18.13,70.26 SWb1.1 ; 19.28,83.15 19.28,96.39 30.29,107.39 v2(32.02,107.39) ; 19.28,83.15 18.98,83.15 v2(18.98,83.14) ; 16.26,31.09 15.12,29.95 15.12,26.63 ; v2(8.14,63.48) 8.13,63.46 SWcx1.1 ; SWe1.1 SWd1.1 ; SWdx1.1 20.51,33.98 SWc1.1
  Bottom w0.203: v2(32.02,107.39) 32.02,107.39 U3.59 ; 17.62,63.59 8.26,63.59 v2(8.14,63.48) ; v2(18.98,83.14) 16.93,83.14 ; SWcx1.1 8.13,48.08 11.15,45.06 SWc1.1
/col1: length 131.5
  Top w0.203: v2(34.43,103.19) 31.82,105.79 v2(31.82,106.74) ; v2(27.93,65.19) 28.68,65.95 28.68,67.68 28.68,67.68 v2(28.68,83.14) ; SWb2.1 46.7,59.34 SWc2.1 37.18,35.53 SWd2.1 39.56,23.62 SWe2.1 ; v2(35.18,81.49) 35.33,81.65 35.33,95.42 34.87,95.88 34.87,96.7 35.68,97.51 35.68,101.24 v2(35.32,101.59)
  Bottom w0.203: v2(35.18,81.49) 35.18,82.37 SWa2.1 ; SWa2.1 28.69,83.16 v2(28.68,83.14) ; v2(27.93,65.19) 36.26,65.19 37.35,64.11 SWb2.1 ; v2(34.43,103.19) 35.32,102.29 v2(35.32,101.59) ; U3.58 31.97,106.74 v2(31.82,106.74)
/col2: length 117.5
  Top w0.203: v2(48.52,94.49) 49.41,94.49 51.36,92.54 51.38,92.54 52.18,91.74 52.18,88.29 51.47,87.58 SWa3.1 ; 63.41,7 63.41,18.82 SWd3.1 56.23,35.53 SWc3.1 65.75,59.34 SWb3.1 ; v2(51.02,64.49) 50.87,64.65 50.87,82.56
  Bottom w0.203: v2(51.02,64.49) 51.41,64.11 SWb3.1 ; v2(48.52,94.49) 48.26,94.76 45.24,94.76 45.22,94.78 44.85,94.78 44.46,95.17 42.63,95.17 41.91,95.89 40.7,95.89 U3.26
/col3: length 139.8
  Top w0.203: 69.82,82.47 69.82,64.49 v2(69.97,64.34) ; SWb4.1 84.8,59.34 SWc4.1 75.28,35.53 SWd4.1 77.61,26.01 87.18,16.43 SWe4.1 ; v2(63.98,87.69) v2(63.98,82.99) ; v2(52.57,87.69) 52.51,87.76 52.51,91.88 51.51,92.87 51.49,92.87 51.32,93.04 v2(51.32,93.59)
  Bottom w0.203: U3.27 40.32,95.56 41.77,95.56 42.49,94.84 44.32,94.84 44.72,94.45 45.09,94.45 45.1,94.43 47.74,94.43 48.38,93.79 51.13,93.79 v2(51.32,93.59) ; v2(63.98,82.99) 64.14,83.16 SWa4.1 ; v2(52.57,87.69) v2(63.98,87.69) ; v2(69.97,64.34) 70.21,64.11 SWb4.1
/col4: length 145.8
  Top w0.203: v2(89.47,94.29) 89.57,94.2 SWa5.1 ; SWb5.1 103.85,59.34 SWc5.1 96.84,38.05 96.84,26.91 95.94,26.01 SWd5.1 ; 88.92,82.52 v2(88.92,63.99) ; v2(42.82,96.29) 42.33,96.79 41.4,96.79 39.65,98.54 37.73,98.54 v2(37.52,98.74)
  Bottom w0.203: v2(42.82,96.29) 42.82,96.06 43.01,95.87 44.7,95.87 45.13,95.44 45.66,95.44 45.66,95.44 48.93,95.44 49.87,94.5 89.27,94.5 v2(89.47,94.29) ; v2(37.52,98.74) 36.56,97.77 33.79,97.77 32.93,98.64 32.06,98.64 U3.43 ; SWb5.1 89.04,64.11 v2(88.92,63.99)
/col5: length 194.9
  Top w0.203: v2(38.93,97.44) 42.02,94.34 v2(42.02,93.59) ; v2(108.28,94.09) 108.3,94.07 108.3,92.57 108.62,92.25 SWa6.1 107.28,81.82 107.28,64.29 v2(107.42,64.14) ; SWe6.1 120.52,19.08 120.42,19.18 120.42,22.8 117.21,26.01 SWd6.1 ; v2(114.67,44.99) 114.67,30.74 113.31,29.38 113.31,26.07 ; v2(45.88,95.94) 45.88,95.79 45.77,95.69 45.77,94.04 v2(45.27,93.54) ; SWb6.1 118.14,57.3 121.2,54.24 122.48,54.24 122.9,53.82 SWc6.1
  Bottom w0.203: v2(45.27,93.54) 45.13,93.4 43.18,93.4 43.18,93.39 42.23,93.39 v2(42.02,93.59) ; v2(45.88,95.94) 46.05,95.77 49.07,95.77 50,94.83 90.39,94.83 91.43,93.79 97.87,93.79 97.93,93.73 99.06,93.73 99.2,93.86 108.04,93.86 v2(108.28,94.09) ; SWc6.1 114.74,45.06 v2(114.67,44.99) ; SWb6.1 107.46,64.11 v2(107.42,64.14) ; U3.33 36.05,94.57 v2(38.93,97.44)
/col6: length 235.6
  Top w0.203: 119.28,36.49 120.32,36.49 120.97,35.84 120.97,35.21 119.56,33.79 119.56,27.93 121.49,25.99 v2(121.88,25.99) ; 119.28,36.49 119.28,34.91 118.57,34.2 118.57,27.52 123.38,22.7 123.38,18.58 127.03,14.94 127.03,8.55 v2(126.62,8.14) ; 119.28,36.49 119.28,40.09 v2(119.47,40.29) ; v2(113.67,94.29) 113.67,81.29 v2(113.72,81.24) ; v2(39.43,97.94) 39.48,97.94 42.63,94.79 v2(42.63,93.94) ; v2(44.77,93.94) 45.27,94.44 v2(45.27,96.34) ; v2(110.03,81.24) 107.67,78.89 107.67,65.03 108.04,64.66 108.04,62.66 109.17,61.53 109.17,40.94 v2(109.47,40.64)
  Bottom w0.203: v2(39.43,97.94) 39.32,98.04 38.69,98.04 38.14,97.49 37.49,97.49 35.59,95.59 35.37,95.59 U3.34 ; v2(110.03,81.24) 115.22,81.24 117.14,83.16 SWa7.1 ; v2(42.63,93.94) 42.84,93.72 43.04,93.72 43.05,93.73 44.56,93.73 v2(44.77,93.94) ; v2(126.62,8.14) 126.47,8.14 125.42,9.19 123.72,9.19 123.47,9.44 123.47,10.24 123.82,10.59 ; v2(121.88,25.99) 121.89,26.01 SWd7.1 ; v2(119.47,40.29) 115.57,40.29 115.07,40.79 109.62,40.79 v2(109.47,40.64) ; v2(113.67,94.29) 113.37,94.6 107.98,94.6 107.57,94.19 99.06,94.19 98.92,94.06 98.07,94.06 98.01,94.12 91.57,94.12 90.52,95.16 50.14,95.16 49.21,96.1 46.44,96.1 46.09,96.45 45.38,96.45 v2(45.27,96.34)
/CONN2_CS: length 108.7
  Top w0.203: v2(121.42,98.04) 121.07,97.69 121.07,94.09 v2(120.88,93.89) ; v2(33.02,94.64) 34.18,93.49 v2(34.18,92.19) ; v2(52.07,93.59) 52.07,93.89 50.77,95.19 48.18,95.19 45.57,92.59 44.27,92.59 v2(43.77,92.09)
  Bottom w0.203: v2(43.77,92.09) 43.68,92.19 v2(34.18,92.19) ; v2(120.88,93.89) 120.67,93.69 108.97,93.69 108.67,93.39 97.79,93.39 97.73,93.46 88.95,93.46 88.56,93.84 52.32,93.84 v2(52.07,93.59) ; v2(33.02,94.64) 33.02,95.36 U3.37 ; J6.A8 125.61,97.14 126.48,98.02 126.48,99.6 125.94,100.14 J6.B8 ; 124.67,97.15 122.32,97.15 v2(121.42,98.04) U11.4
